# Altium PCB ControlBoardV6.PcbDoc (continued)
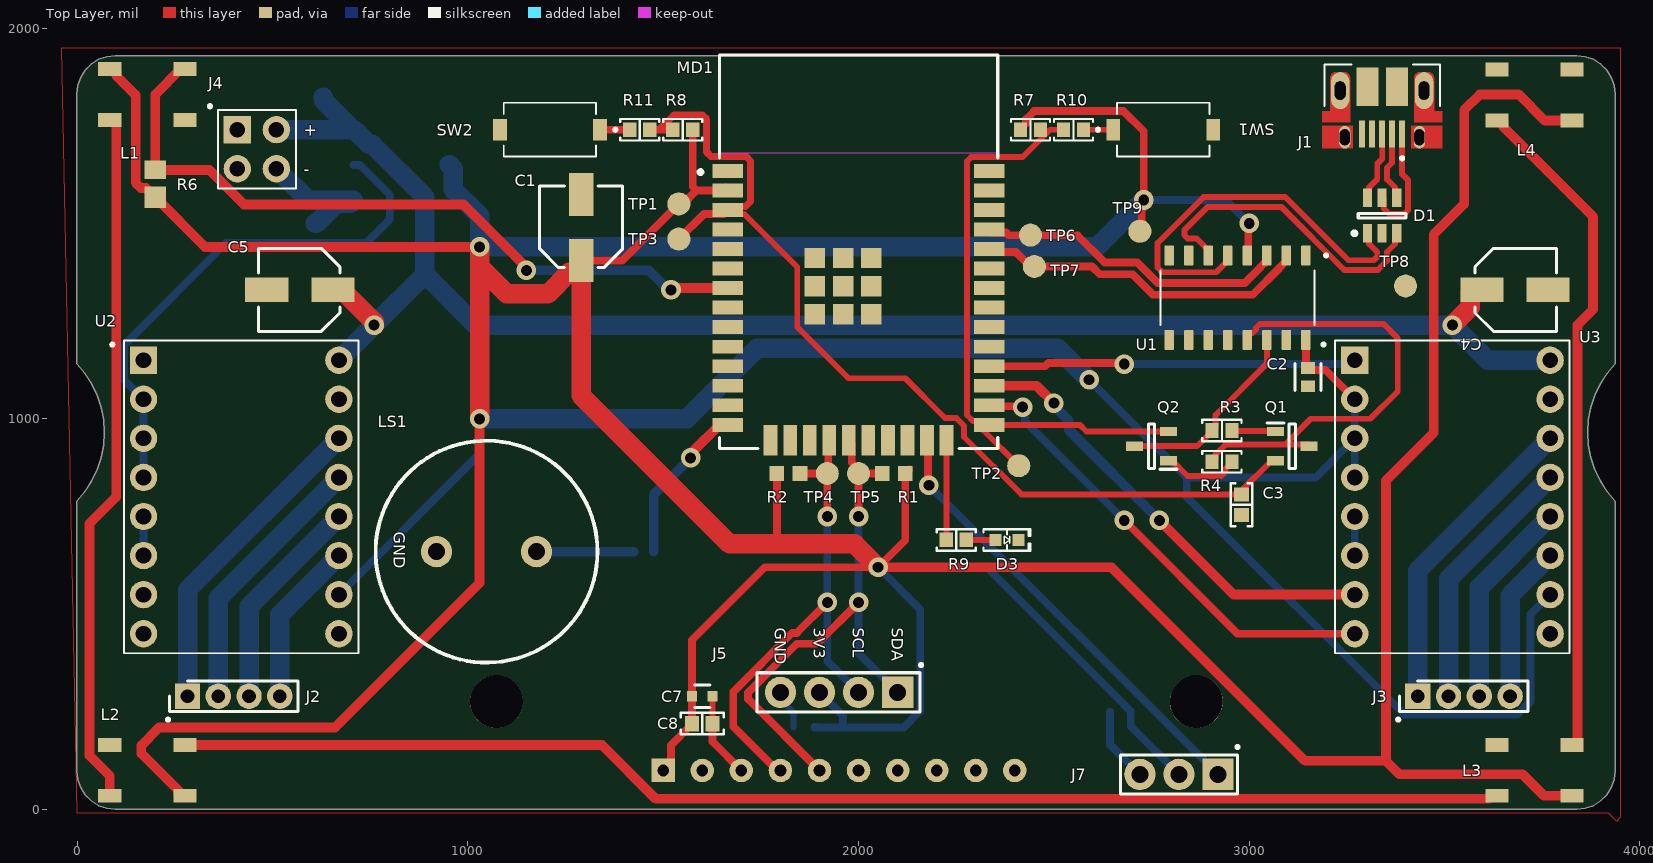
[diagram p0: Top Layer view]
## Part data (continued)
D1: library part CMP-2000-05378-1, "Very low capacitance ESD protection, 3.5 pF, -40 to 125 degC, 6-Pin SOT23, RoHS, Tape and Reel", Capacitance Value=3.5pF, Clamping Voltage=17V, Leakage Current=0.15uA, Manufacturer=STMicroelectronics, Operating Temp Range=-40Cto125C, Operating Temperature Classification=Automotive, Operating Temperature Max Deg. C=125C, Operating Temperature Min Deg. C=-40C, Package / Case=SOT-23, Package Description="6-Pin Small Outline Transistor, Body 2.925 x 1.625 mm, Pitch 0.95 mm", Package Reference=SOT23-6L, Peak Pulse Current=5A, Reverse Breakdown Voltage=6V, Reverse Stand-off Voltage=5V, Test Current (It)=1mA, Clamping Voltage (Max)=17V, Configuration=Dual, Datasheet URL=http://www.st.com/st-web-ui/static/active/en/resource/technical/document/datasheet/CD00050750.pdf, Datasheet Version="Rev. 5, 10/2011", Direction Type=Uni-Directional, Leakage Current (Max)=0.15uA, Manufacturer Part Number=USBLC6-2SC6, Manufacturer URL=http://www.st.com/, Mounting=SurfaceMount, Mounting Style=SurfaceMount, Number of Elements=1, Packaging=TapeandReel, Pin Count=6, Polarity=Uni-Directional, Product Depth (mm)=1.75mm, Product Height (mm)=1.3mm, Product Length (mm)=3.05mm, Rad Hardened=No, Suppressor Type=DiodeArrays, Working Voltage=5V, Working Voltage (Max)=5V
D3: library part LED, "LED BLUE 0603 SMD", Current - Test=20mA, Device Package="0603 (1608 Metric)", Lens Color=1.00mm, Manufacturer="Vishay Semiconductor Opto Division", Millicandela Rating=104mcd, Part Number=VLMB1300-GS08, Supplier Device Package=0603, Supplier Part Number 1=VLMB1300-GS08CT-ND, Voltage - Forward (Vf) (Typ)=3.3V, Color=Blue, ComponentLink1Description=Datasheet, ComponentLink1URL=http://www.vishay.com/docs/82437/vlmo1300.pdf, ComponentLink2Description="DigiKey Link", ComponentLink2URL=http://digikey.com/product-detail/en/vishay-semiconductor-opto-division/VLMB1300-GS08/VLMB1300-GS08CT-ND/3025485, Configuration=Standard, Height (Max)=1.00mm, LastUpdated="09/02/2020 01:20:26", Lens Size="1.10mm x 0.80mm", Lens Style="Rectangle with Flat Top", Lifecycle Status=Active, Minimum Order=1, Mounting Type="Surface Mount", Package / Case="0603 (1608 Metric)", Packaging=TapeAndReel, Part Status=Active, PartId=785, Price=0.08, Series=CHIPLED, Size=0603, Size / Dimension="1.60mm L x 0.80mm W", Supplier 1=DigiKey, Viewing Angle=130°, Wavelength - Dominant=470nm, Wavelength - Peak=468nm
J1: library part 10103594-0001LF, "USB - micro B USB 2.0 Receptacle Connector 5 Position Surface Mount, Right Angle; Through Hole", Package=None, Availability=Good, Check_prices=https://www.snapeda.com/parts/10103594-0001LF/Amphenol%20FCI/view-part/5161044/?ref=eda, MF="Amphenol ICC (FCI)", MP=10103594-0001LF, Price=None, Purchase-URL=https://pricing.snapeda.com/search/part/10103594-0001LF/?ref=eda, SnapEDA_Link=https://www.snapeda.com/parts/10103594-0001LF/Amphenol%20FCI/view-part/5161044/?ref=snap
J2 J3: library part M22-2510405, "Connector", Manufacturer_Name=Harwin, Mouser Part Number=855-M22-2510405, Datasheet Link=https://cdn.harwin.com/pdfs/M22-251.pdf, Height=5.25mm, Manufacturer_Part_Number=M22-2510405, Mouser Price/Stock=https://www.mouser.co.uk/ProductDetail/Harwin/M22-2510405?qs=vF78I%252BjhbY9z7PsFZBZ5CA%3D%3D
J4: library part M20-9950245, "M20-9950245 Pin Connector", ComponentLink1Description=Datasheet, ComponentLink1URL=https://www.snapeda.com/parts/M20-9950245/Harwin/datasheet/
J5: library part SSD_GUARRETA, "CONN HDR 4POS 0.1 TIN PCB", Color=Black, Manufacturer=Sullins, Manufacturer Part Number=PPTC041LFBN-RC, Package Quantity=1000, Supplier Part Number 1=S7002-ND, Category=Connectors, ComponentLink1Description=https://media.digikey.com/pdf/Data%20Sheets/Sullins%20PDFs/Female_Headers.100_DS.pdf?src-supplier=Digi-Key, ComponentLink1URL=https://media.digikey.com/pdf/Data%20Sheets/Sullins%20PDFs/Female_Headers.100_DS.pdf?src-supplier=Digi-Key, ComponentLink2Description=http://www.sullinscorp.com/catalogs/78_Page80-81_HEADER_.100_2.54mm_FEMALE.pdf?src-supplier=Future+Electronics, ComponentLink2URL=http://www.sullinscorp.com/catalogs/78_Page80-81_HEADER_.100_2.54mm_FEMALE.pdf?src-supplier=Future+Electronics, Connector Type=Header,Socket, Contact Material=Bronze, Contact Plating=Tin, Height=8.5mm, Housing Material=Plastic, Lead Free="Lead Free", Length=10.7mm, Mount="Through Hole", Number of Positions=4, Number of Rows=1, Packaging=Bulk, Pitch=0.1inch, Pricing 1="1=0,45000, 10=0,42400, 100=0,32500, 500=0,28260, 1000=0,23315, 5000=0,20489, 10000=0,20410 (USD)", RoHS=Yes, Stock 1=41925, Supplier 1=Digi-Key, Termination=Solder, Width=2.5mm
J6: library part IMU_GUARRETA, "CONN HDR 10POS 0.1 TIN PCB", Color=Black, Manufacturer=Sullins, Manufacturer Part Number=PPTC101LFBN-RC, Package Quantity=1000, Supplier Part Number 1=S7008-ND, Category=Connectors, ComponentLink1Description=https://media.digikey.com/pdf/Data%20Sheets/Sullins%20PDFs/Female_Headers.100_DS.pdf?src-supplier=Digi-Key, ComponentLink1URL=https://media.digikey.com/pdf/Data%20Sheets/Sullins%20PDFs/Female_Headers.100_DS.pdf?src-supplier=Digi-Key, Connector Type=Header, Contact Material=Bronze, Contact Plating=Tin, Contact Type="Female Socket", Height=8.5mm, Housing Material=Plastic, Lead Free="Lead Free", Length=25.9mm, Mount="Through Hole", Number of Positions=10, Number of Rows=1, Packaging=Bulk, Pitch=0.1inch, Pricing 1="1=0,65000, 10=0,57400, 100=0,49500, 500=0,40500, 1000=0,36000, 5000=0,32500 (USD)", RoHS=Yes, RoHS Compliant=Yes, Stock 1=12464, Supplier 1=Digi-Key, Termination=Solder, Width=2.5mm
J7: library part IRREMOTE_GUARRETA, "CONN HDR 3POS 0.1 GOLD PCB", Color=Black, Manufacturer=Sullins, Manufacturer Part Number=PPPC031LFBN-RC, Package Quantity=1000, Supplier Part Number 1=S7036-ND, Category=Connectors, ComponentLink1Description=https://media.digikey.com/pdf/Data%20Sheets/Sullins%20PDFs/Female_Headers.100_DS.pdf?src-supplier=Digi-Key, ComponentLink1URL=https://media.digikey.com/pdf/Data%20Sheets/Sullins%20PDFs/Female_Headers.100_DS.pdf?src-supplier=Digi-Key, ComponentLink2Description=http://www.sullinscorp.com/catalogs/78_Page80-81_HEADER_.100_2.54mm_FEMALE.pdf?src-supplier=Future+Electronics, ComponentLink2URL=http://www.sullinscorp.com/catalogs/78_Page80-81_HEADER_.100_2.54mm_FEMALE.pdf?src-supplier=Future+Electronics, Connector Type=Header, Contact Material=Bronze, Contact Plating=Gold, Contact Type="Female Socket", Height=8.5mm, Housing Material=Plastic, Lead Free="Lead Free", Length=8.12mm, Mount="Through Hole", Number of Positions=3, Number of Rows=1, Packaging=Bulk, Pitch=0.1inch, Pricing 1="1=0,37000, 10=0,35100, 100=0,26910, 500=0,23400, 1000=0,19305, 5000=0,16965, 10000=0,16900 (USD)", RoHS=Yes, RoHS Compliant=Yes, Stock 1=36124, Supplier 1=Digi-Key, Termination=Solder, Width=2.5mm
LS1: library part Buzzer
MD1: library part CMP-194065-000003-1, "WIFI MODULE 32MBITS SPI FLASH", Manufacturer="Espressif Systems", Max Frequency=2484MHz, Max Supply Voltage=3.6V, Min Supply Voltage=3V, Nominal Supply Current=500mA, Temperature="-40°C to +85°C", Temperature Range High=+85°C, Temperature Range Low=-40°C, Automotive=No, Bandwidth=72MHz, Category=UNK, ComponentLink2Description=Datasheet, ComponentLink2URL=https://www.espressif.com/sites/default/files/documentation/esp32-wroom-32d_esp32-wroom-32u_datasheet_en.pdf, Data Rate=150Mbits/s, Device Class L1="Integrated Circuits (ICs)", Device Class L2="RF Semiconductors and Devices", Device Class L3=Transceivers, Digikey Description="WIFI MODULE 32MBITS SPI FLASH", Height=3.2mm, Interface=I2C,SPI,UART,Ethernet,I2S,Other, Lead Free=Yes, Manufacturer Part Number=ESP32-WROOM-32D, Mouser Description="Wi-Fi/BT BLE Module ESP32-D0WD, SPI Flash, UART, P", Number Of Adc Channels=16, Number Of Gpio=32, Octopart=https://octopart.com/esp32-wroom-32d-espressif+systems-91040050, Package=ESP32-WROOM-32D, RoHS=TRUE, Sensitivity=-98dBm
Q1 Q2: "Transistor", Manufacturer_Name="Yenji Elec", Datasheet Link=https://datasheet.lcsc.com/szlcsc/Yenji-Elec-S8050_C139514.pdf, Height=1.15mm, Manufacturer_Part_Number=S8050
R1 R2: library part CMP-1012-00586-3, "Precision Thick Film Chip Resistor, 4.7 KOhm, +/- 1%, -55 to 155 degC, 0603 (1608 Metric), RoHS, Tape and Reel", Case Code (Imperial)=1206, Case Code (Metric)=3216, Case\Package=1205, Manufacturer=Panasonic, Manufacturer Part Number=ERJ-3EKF4701V, Max Operating Temperature="125 degC", Min Operating Temperature="-55 degC", Package Quantity=1, Power Rating="250 mW", Tolerance=5%, Type (Resistor)="Thick Film", Voltage Rating="50 V", ComponentLink1Description="Manufacturer URL", ComponentLink1URL=http://www.panasonic.com/, ComponentLink2Description=Datasheet, ComponentLink2URL=http://industrial.panasonic.com/cdbs/www-data/pdf/RDA0000/AOA0000C86.pdf, DatasheetVersion=Apr-15, Elements=4, Height="0.024 inch", Length="0.126 inch", Mount="Surface Mount", PackageDescription="2-Pin Surface Mount Device, Body 1.6 x 0.85 mm", Packaging="Tape and Reel", Pins=8, Radiation Hardening=No, REACH SVHC="No SVHC", Resistance=4k7, RoHSCompliant=true, Size=0603, Width="0.063 inch"
R3 R4 R7 R8: library part RMCF0603JT12K0, "RES 12K OHM 5% 1/10W 0603", Device Package="0603 (1608 Metric)", Manufacturer="Stackpole Electronics Inc", Operating Temperature="-55°C ~ 155°C", Power (Watts)="0.1W, 1/10W", Ratings=AEC-Q200, Resistance="12 kOhms", Supplier Device Package=0603, Supplier Part Number 1=RMCF0603JT12K0CT-ND, Temperature Coefficient=±200ppm/°C, Tolerance=±5%, ComponentLink1Description=Datasheet, ComponentLink1URL=https://www.seielect.com/catalog/sei-rmcf_rmcp.pdf, ComponentLink2Description="DigiKey Link", ComponentLink2URL=http://digikey.com/product-detail/en/stackpole-electronics-inc/RMCF0603JT12K0/RMCF0603JT12K0CT-ND/1943192, Composition="Thick Film", Features="Automotive AEC-Q200", Height - Seated (Max)="0.022\" (0.55mm)", LastUpdated="09/02/2020 01:10:24", Lifecycle Status=Active, Minimum Order=1, Number of Terminations=2, Package / Case="0603 (1608 Metric)", Packaging=CutTape, Part Number=RMCF0603JT12K0, Part Status=Active, PartId=5166, Price=0.10, Series=RMCF, Size=0603, Size / Dimension="0.061\" L x 0.031\" W (1.55mm x 0.80mm)", Supplier 1=DigiKey
R5: library part CRCW06031K00FKEAHP, "RES SMD 1K OHM 1% 1/4W 0603", Device Package="0603 (1608 Metric)", Manufacturer="Vishay Dale", Operating Temperature="-55°C ~ 155°C", Power (Watts)="0.25W, 1/4W", Ratings=AEC-Q200, Resistance="1 kOhms", Supplier Device Package=0603, Supplier Part Number 1=541-1.00KSCT-ND, Temperature Coefficient=±100ppm/°C, Tolerance=±1%, ComponentLink1Description=Datasheet, ComponentLink1URL=http://www.vishay.com/docs/20043/crcwhpe3.pdf, ComponentLink2Description="DigiKey Link", ComponentLink2URL=http://digikey.com/product-detail/en/vishay-dale/CRCW06031K00FKEAHP/541-1.00KSCT-ND/2222766, Composition="Thick Film", Features="Automotive AEC-Q200, Pulse Withstanding", Height - Seated (Max)="0.022\" (0.55mm)", LastUpdated="09/02/2020 01:10:05", Lifecycle Status=Active, Minimum Order=1, Number of Terminations=2, Package / Case="0603 (1608 Metric)", Packaging=TapeAndReel, Part Number=CRCW06031K00FKEAHP, Part Status=Active, PartId=14350, Price=0.02, Series=CRCW-HP, Size=0603, Size / Dimension="0.063\" L x 0.033\" W (1.60mm x 0.85mm)", Supplier 1=DigiKey
R6: library part Resistor, "Resistor", Supplier Part Number 1=2358436, Supplier 1=Farnell
R9 R10 R11: library part RMCF0603JT470R, "RES 470 OHM 5% 1/10W 0603", Device Package="0603 (1608 Metric)", Manufacturer="Stackpole Electronics Inc", Operating Temperature="-55°C ~ 155°C", Power (Watts)="0.1W, 1/10W", Ratings=AEC-Q200, Resistance="470 Ohms", Supplier Device Package=0603, Supplier Part Number 1=RMCF0603JT470RCT-ND, Temperature Coefficient=±200ppm/°C, Tolerance=±5%, ComponentLink1Description=Datasheet, ComponentLink1URL=https://www.seielect.com/catalog/sei-rmcf_rmcp.pdf, ComponentLink2Description="DigiKey Link", ComponentLink2URL=http://digikey.com/product-detail/en/stackpole-electronics-inc/RMCF0603JT470R/RMCF0603JT470RCT-ND/1943166, Composition="Thick Film", Features="Automotive AEC-Q200", Height - Seated (Max)="0.022\" (0.55mm)", LastUpdated="09/02/2020 01:10:23", Lifecycle Status=Active, Minimum Order=1, Number of Terminations=2, Package / Case="0603 (1608 Metric)", Packaging=CutTape, Part Number=RMCF0603JT470R, Part Status=Active, PartId=5857, Price=0.10, Series=RMCF, Size=0603, Size / Dimension="0.061\" L x 0.031\" W (1.55mm x 0.80mm)", Supplier 1=DigiKey
SW1 SW2: library part CMP-2000-07501-1, "FSMSM Push Button Switch, 50 mA, -35 to 85 degC, 2-Pin SMD, RoHS, Tape and Reel", Case\/Package=SMD/SMT, Contact Current Rating=50mA, Contact Resistance=100mOhm, Manufacturer="TE Connectivity", Max Operating Temperature=85degC, Max Voltage Rating (DC)=12V, Min Operating Temperature=-35degC, Operating Force=180gf, Package Description="2-Pin Surface Mount Device, Body 6 x 3.5 mm, Pitch 9.19 mm", Package Quantity=1800, Voltage Rating (DC)=24V, Actuator Length=1.07mm, Actuator Material=Polyamide, Contact Material=Brass, Contact Plating=Silver, Current Rating=50mA, Datasheet URL=http://www.te.com/commerce/DocumentDelivery/DDEController?Action=showdoc&DocId=Customer+Drawing%7F1437566-3%7FC2%7Fpdf%7FEnglish%7FENG_CD_1437566-3_C2_1437566_3_1_c.dwg.pdf%7F1437566-4, Datasheet Version="Rev. C2, 08/2014", Electrical Life=20000Cycles, ELV=Compliant, Illumination Type=Illuminated, Lead Free=LeadFree, Manufacturer Part Number=FSMSMTR, Manufacturer URL=http://www.te.com/, Mechanical Life=20000Cycles, Mount=SurfaceMount, Mounting Technology=SurfaceMount, Orientation=Straight, Package Reference=FSMSMTR, Packaging=TapeandReel, REACH SVHC=Unknown, RoHSCompliant=true, Switch Travel=0.25mm, Termination=GullWing, Throw Configuration=SPST
TP1 TP2 TP3 TP4 TP5 TP6 TP7 TP8 TP9 TP10 TP11 TP12: library part TestPoint
U1: "USB to serial chip CH340", Package=None, Availability="Not in stock", Check_prices=https://www.snapeda.com/parts/CH340C/WCH/view-part/?ref=eda, MF=WCH, MP=CH340C, Price=None, SnapEDA_Link=https://www.snapeda.com/parts/CH340C/WCH/view-part/?ref=snap
U2 U3: "Pololu A4988 Stepper Motor Driver Carrier", ComponentLink1Description="Datasheet carrier", ComponentLink1URL=https://www.robotshop.com/media/files/pdf/datasheet-1182.pdf, ComponentLink2Description="Datasheet A4988", ComponentLink2URL=https://www.pololu.com/file/0J450/a4988_DMOS_microstepping_driver_with_translator.pdf
U4: library part CMP-0062-01631-4, "800mA Low-Dropout Linear Regulator, 4-pin SOT-223, Pb-Free", Manufacturer="Texas Instruments", PackageTopMarking=XYTT*N05B, PowerWise=N, Code_IPC=SOT223-4, Code_JEDEC=TO-261-AA, ComponentLink1Description="Datasheet URL", ComponentLink1URL=http://www.ti.com/general/docs/lit/getliterature.tsp?genericPartNumber=LM1117-N&fileType=pdf, CompType="LDO IC", High-Reliability=Y, Manufacturer Part Number=LM1117IMP-3.3/NOPB, PackageDescription="Molded SOT-223, 6.50 x 3.56 x 1.6mm Body, 4 Lead, 2.3mm Pitch", PackageReference=DCY0004A, PartNumber=LM1117IMP-3.3/NOPB, PinCount=4, RoHS=Y

## Free pads (board coordinates)
  round 135.43 hole 135.43: 1(1072.98,276.05) 1(2864.32,276.05)

## Via types
v1: diameter 50, hole 28, Top Layer to Bottom Layer, 21 vias

## Nets (pads, with @x,y where several pads share a name; then routed paths per layer and width w, separated by ;. In a path a pad name is that pad's centre, name@x,y a point inside that pad or via, vN(x,y) a via of type N, cw(c..) or ccw(c..) an arc to the next point about the centre after c; other vN are vias at no path point)
+3V3: C1.1 C2.2 C6.1 C7.1 C8.2 C9.1 J5.3 J6.1 J7.2 L1.1 L2.1 L3.1 L4.1 MD1.2 R1.1 R2.1 R6.1 R7.1 R8.1 TP1.1 TP9.1 TP11.1 U1.4 U1.16 U2.2 U2.3 U2.4 U2.10 U3.2 U3.3 U3.4 U3.10 U4.2 U4.4 | length 22231.7
  Top Layer w20: C1.1 1395.35,1405.35 TP1.1 1550.57,1550 1585.16,1584.59 ; J6.1 1520,120 1520,164.61 1573.43,218.03 C8.2 C7.1 1573.43,433.43 1760,620 v1(2050,620) 2119.53,689.53 R1.1 R1.1@2129.53,870 ; R8.1 1575.59,1594.15 1585.16,1584.59 ; MD1.2 1585.16,1584.59 ; R2.1 1790.94,689.06 1800,680 ; R7.1 2414.41,1741.97 2428.86,1756.42 2428.86,1766.99 2449.43,1787.56 2678.05,1787.56 2730,1735.61 v1(2730,1560) 2725,1555 2725,1485 TP9.1 ; U1.4 2997.2,1420.47 2997.2,1497.2 v1(3000,1500) ; U1.16 3145,1134.76 3154.53,1125.24 3194.76,1125.24 U3.2
  Top Layer w25: L1.1 95.36,1894.96 100.57,1889.74 100.57,1877.93 149.94,1828.56 149.94,1604.06 163.12,1590.88 176.06,1590.88 199.94,1567 R6.1 200.06,1567 327.06,1440 v1(1030,1440) ; L2.1 264.64,35.04 259.43,40.26 259.43,48.63 164.38,143.67 164.38,164.38 210,210 660,210 1030,580 v1(1030,1000) ; MD1.2@1660.14,1589.8 MD1.2 ; v1(2050,620) 2647.95,620 3143.2,124.74 3350,124.74 ; L3.1 3754.96,35.04 3700,90 3600,90 3599.86,90.14 3384.6,90.14 3350,124.74 ; L4.1 3756.19,1763.81 3690,1830 3590,1830 3550,1790 3550,1550 3472.03,1472.03 3472.03,964.06 3350,842.04 3350,124.74
  Top Layer w50: v1(1030,1000) 1030,1390 ; v1(1030,1440) 1030,1390 ; C1.1@1290,1380.87 1290,1060 1670,680 1800,680 1990,680 v1(2050,620) ; C1.1 1290,1381.73 1283.5,1375.24 1259.88,1375.24 1204.65,1320 1100,1320 1030,1390
  Bottom Layer w20: U2.4 U2.3 U2.2 119.88,1100.12 119.88,1188.4 381.95,1450.47 740.47,1450.47 800,1510 800,1573.7 723.7,1650 U4.2 ; U2.10 1030,910 v1(1030,1000) ; C6.1 1886.57,210.98 1886.87,211.28 C6.1@1891.28,211.28 ; C6.1@1889.07,210 1960,210 ; J5.3@1900,314.88 J5.3 1960,240 1960,210 ; v1(2590,1100) 2840,850 ; v1(2730,1560) 2940,1560 v1(3000,1500) ; J7.2 2696.57,213.43 C9.1 2696.57,250.98 2678.65,268.91 2678.65,269.64 2328.29,620 v1(2050,620) 2158,512 2158,252.54 2115.46,210 1960,210 ; U3.4 U3.3 ; U3.2 U3.3 ; U3.10 3719.88,499.88 3719.88,276.54 3686.77,243.43 3396.4,243.43 2840,799.83 2840,850 ; 2840,850 3170,850 U3.3
  Bottom Layer w50: U4.4 962.48,1640.55 962.48,1587.52 TP11.1 v1(1030,1440) 2610,1440 v1(2730,1560) ; v1(1030,1000) 1560,1000 1740,1180 2510,1180 v1(2590,1100)
+11V1: C4.1 C5.1 J4.3 TP10.1 U2.16 U3.16 U4.3 | length 4304.5
  Top Layer w50: C5.1 661.14,1323.5 684.76,1323.5 760,1248.27 v1(760,1240) ; v1(3520,1240) 3565.24,1285.24 3565.24,1323.5 3571.73,1330 C4.1
  Bottom Layer w50: J4.3 510.28,1740.28 706.69,1740.28 U4.3 ; TP10.1 631.73,1820.94 631.73,1813.62 U4.3@697.52,1747.84 ; U2.16 v1(760,1240) 890,1370 ; U4.3@716.42,1733.27 746.97,1702.72 754.77,1702.72 890,1567.49 890,1370 ; U3.16 3610,1150 v1(3520,1240) 1020,1240 890,1370
BUZZER: MD1.14 R5.2 | length 415.9
  Top Layer w25: v1(1570,900) 1574.78,904.78 1574.78,915.67 1643.7,984.59 MD1.14
  Bottom Layer w25: R5.2 1475.59,805.59 v1(1570,900)
D1_DIR: MD1.13 U2.8
D1_EN: MD1.11 U2.1 | length 6.2
  Top Layer w12: MD1.11@1660.94,1139 MD1.11
D1_STEP: MD1.12 U2.7
D2_DIR: MD1.26 U3.8 | length 1195.1
  Top Layer w20: MD1.26 2336.94,1032.29 2417.71,1032.29 v1(2420,1030) ; v1(2680,740) 2970,450 U3.8
  Bottom Layer w20: v1(2420,1030) 2425.74,1024.26 2425.74,994.26 v1(2680,740)
D2_EN: MD1.28 U3.1 | length 944.2
  Top Layer w20: MD1.28 2477.85,1134.59 2486.26,1143 2677,1143 v1(2680,1140)
  Bottom Layer w20: v1(2680,1140) 3260,1140 U3.1
D2_STEP: MD1.27 U3.7 | length 1174.4
  Top Layer w25: MD1.27 2455.41,1084.59 v1(2500,1040) ; v1(2770,740) 2960,550 U3.7
  Bottom Layer w25: v1(2500,1040) 2500,1033.24 2538.03,995.2 2538.03,971.97 v1(2770,740)
D\T\R\: Q1.3 R4.1 U1.13 | length 1182.7
  Top Layer w15: R4.1 2913.64,899.23 2913.64,908.23 2939.21,933.8 3091.3,933.8 ; U1.13 2995,1215.31 2999.7,1220.02 3008.51,1220.02 3017.3,1228.81 3017.3,1232.15 3028.16,1243.02 3343.51,1243.02 3380,1206.53 3380,1070 3310,1000 3157.5,1000 3091.3,933.8 ; Q1.3 3149.51,933.8 3091.3,933.8
D_N: D1.3 U1.6 | length 803.8
  Top Layer w15: U1.6 2895,1431.85 2865.3,1461.56 2842.69,1461.56 2833.9,1470.34 2833.9,1482.77 2893.63,1542.5 3081.72,1542.5 3243.39,1380.83 3329.07,1380.83 3352.5,1404.26 3352.5,1427.04 3373.09,1447.63 3373.09,1470.41 D1.3
D_P: D1.1 U1.5 | length 1025.2
  Top Layer w15: U1.5 2945,1404.69 2915.3,1374.98 2777.33,1374.98 2765.3,1387.02 2765.3,1449.52 2883.28,1567.5 3092.08,1567.5 3253.75,1405.83 3318.71,1405.83 3327.5,1414.62 3327.5,1427.04 3306.91,1447.63 3306.91,1470.41 D1.1
DNP_N: D1.4 J1.2 | length 179.2
  Top Layer w15: J1.2 3365.37,1728.56 3365.37,1687.08 3365.3,1687 3365.3,1655.24 3352.5,1642.45 3352.5,1612.96 3373.09,1592.37 3373.09,1569.59 D1.4
DNP_P: D1.6 J1.3 | length 179.2
  Top Layer w15: D1.6 3306.91,1569.59 3306.91,1592.37 3327.5,1612.96 3327.5,1652.8 3340.3,1665.6 3340.3,1687 3340.22,1687.08 3340.22,1728.56 J1.3
EN: C3.1 MD1.3 Q1.2 R8.2 R11.1 TP3.1 | length 2592.3
  Top Layer w15: MD1.3 1675.57,1524.37 1707.41,1524.37 1843.18,1388.6 1843.18,1235.16 1974.39,1103.96 2119.54,1103.96 2221.41,1002.09 2249.97,1002.09 2260.22,991.84 2270,982.04 2270,953.49 2416.92,806.57 2970.83,806.57 3056.85,892.6 Q1.2
  Top Layer w18: R11.1@1476.31,1740 1490,1740 1527.7,1777.7 1600.19,1777.7 1611.32,1766.57 1611.32,1682.34 1622.36,1671.3 1712.59,1671.3 1723.72,1660.17 1723.72,1556.61 1710.42,1543.3 1681.05,1543.3 MD1.3@1680.05,1542.3
  Top Layer w20: R11.1 1476.31,1740 1490,1740 R8.2 ; TP3.1 1604.37,1524.37 1655.14,1524.37 MD1.3 1673.07,1542.3 MD1.3@1680.05,1542.3
ESP32_RX: MD1.34 TP7.1 U1.2 | length 859.1
  Top Layer w20: MD1.34 2342.36,1426.87 2402.69,1426.87 2439.56,1390 TP7.1 2597.57,1390 2617.57,1370 2701,1370 2753.52,1317.48 3008.7,1317.48 3077.2,1385.98 3077.2,1386.89 3095,1404.69 U1.2
ESP32_TX: MD1.35 TP6.1 U1.3 | length 805
  Top Layer w20: MD1.35 2342.36,1476.87 2377.73,1476.87 2384.6,1470 TP6.1 2560,1470 2630,1400 2713.42,1400 2765.94,1347.48 2988.7,1347.48 3027.2,1385.98 3027.2,1386.89 3042.8,1402.48 3042.8,1416.06 U1.3
GND: C1.2 C2.1 C3.2 C4.2 C5.2 C6.2 C7.2 C8.1 C9.2 D1.2 D3.2 J1.5 J1.6 J1.7 J1.8 J1.9 J1.10 J1.11 J1.S1 J1.S2 J4.4 J5.4 J6.3 J7.3 L1.3 L2.3 L3.3 L4.3 LS1.2 MD1.1 MD1.15 MD1.38 MD1.39 SW1.2 SW2.2 TP8.1 TP12.1 U1.1 U2.9 U2.15 U3.9 U3.15 U4.1 | length 867.9
  Top Layer w15: C8.1 C7.2
  Top Layer w20: C8.1 1626.57,173.43 J6.3
  Bottom Layer w15: J5.4 1800,282.41 1833.43,248.99 C6.2
  Bottom Layer w20: C9.2 2643.43,166.57 J7.3
  Bottom Layer w50: J4.4 590.55,1559.45 U4.1 699.68,1552.16 664.61,1552.16 612.45,1500 TP12.1
IO0: MD1.25 Q2.2 R7.2 R10.1 TP2.1 | length 1625.2
  Top Layer w15: TP2.1 2320.03,969.97 2312.81,977.19 2320.22,984.59 MD1.25 ; R10.1 2490,1740 2419.8,1669.8 2288.03,1669.8 2277.78,1659.55 2277.78,1009.63 2278.7,1008.7 2292.59,994.8 2324.43,994.8 MD1.25 ; Q2.2 2583.58,967.4 2566.4,984.59 MD1.25
IO2: MD1.24 R9.1 | length 255.5
  Top Layer w15: R9.1 2224.7,690.3 2224.7,944.92 MD1.24
IR_SIG: J7.1 MD1.23 | length 1163.8
  Top Layer w15: MD1.23 MD1.23@2177.5,942.72 ; v1@2177.5,832.5 v1(2180,830)
  Top Layer w20: v1@2177.5,832.5 MD1.23@2177.5,942.72
  Bottom Layer w20: v1(2180,830) J7.1
MOT1_1A: J2.3 U2.12 | length 555.3
  Bottom Layer w50: J2.3 440,520 U2.12
MOT1_1B: J2.4 U2.11 | length 422.7
  Bottom Layer w50: J2.4 518.74,498.74 U2.11
MOT1_2A: J2.2 U2.13 | length 687.9
  Bottom Layer w50: J2.2 361.26,541.26 U2.13
MOT1_2B: J2.1 U2.14 | length 820.5
  Bottom Layer w50: J2.1 282.52,562.52 U2.14
MOT2_1A: J3.3 U3.12 | length 535.1
  Bottom Layer w50: J3.3 3588.74,568.74 U3.12
MOT2_1B: J3.4 U3.11 | length 402.5
  Bottom Layer w50: J3.4 3667.48,547.48 U3.11
MOT2_2A: J3.2 U3.13 | length 667.7
  Bottom Layer w50: J3.2 3510,590 U3.13
MOT2_2B: J3.1 U3.14 | length 800.3
  Bottom Layer w50: J3.1 3431.26,611.26 U3.14
NeoPixels: L1.4 MD1.7 R6.2 | length 1895.2
  Top Layer w25: L1.4 264.64,1894.96 200,1830.32 R6.2 338.59,1637 427.25,1548.34 988.84,1548.34 1145.22,1391.96 1145.22,1384.78 v1(1150,1380) ; v1(1520,1330) 1524.59,1334.59 MD1.7
  Bottom Layer w25: v1(1150,1380) 1463.24,1380 1513.24,1330 v1(1520,1330)
NetD1_5: D1.5 J1.1 | length 302.1
  Top Layer w15: D1.5 3344.31,1560.97 3344.31,1538.19 3358.34,1524.15 3396.46,1524.15 3406.71,1534.41 3406.71,1610.54 3391.18,1626.07 J1.1
NetD3_1: D3.1 R9.2 | length 74.9
  Top Layer w15: R9.2 D3.1
NetL1_2: L1.2 L2.4 | length 1793.3
  Top Layer w25: L2.4 83.54,85.9 31.52,137.92 31.52,731.52 100,800 100,1759.82 94.78,1765.04 L1.2
NetL2_2: L2.2 L3.4 | length 3417.1
  Top Layer w25: L2.2 1343.22,164.96 1480.68,27.5 3614.19,27.5 3621.73,35.04 L3.4
NetL3_2: L3.2 L4.4 | length 1734.9
  Top Layer w25: L4.4 3645.35,1763.81 3650.57,1758.59 3650.57,1746.78 3880,1517.35 3880,1280 3840,1240 3840,170.18 3834.78,164.96 L3.2
NetLS1_1: LS1.1 R5.1 | length 248.5
  Bottom Layer w25: LS1.1 R5.1
NetQ1_1: Q1.1 R3.2 | length 112.2
  Top Layer w15: R3.2 2956.89,968.7 3065.39,968.7 Q1.1
NetQ2_1: Q2.1 R4.2 | length 198.6
  Top Layer w15: Q2.1 2803.15,892.6 2841.95,853.8 2928.39,853.8 2938.64,864.05 2938.64,871.08 2955.59,888.03 R4.2
NetR10_2: R10.2 SW1.1 | length 76.5
  Top Layer w15: R10.2 SW1.1
NetR11_2: R11.2 SW2.1 | length 76.5
  Top Layer w20: SW2.1 R11.2
NetU2_5: U2.5 U2.6 | length 100
  Bottom Layer w20: U2.6 U2.5
NetU3_5: U3.5 U3.6 | length 100
  Bottom Layer w20: U3.6 U3.5
R\T\S\: Q2.3 R3.1 U1.14 | length 505.4
  Top Layer w15: Q2.3 2866.38,930 2904.41,968.03 R3.1 2913.64,979.23 2913.64,1009.45 3045,1140.8 U1.14
SCL: J5.2 J6.4 MD1.18 R2.2 TP4.1 | length 1341.8
  Top Layer w20: J6.4 1791.72,100 1679.27,212.44 1679.27,300.89 1830.52,452.14 1842.14,452.14 v1(1920,530) ; R2.2 TP4.1 ; v1(1920,750) TP4.1 ; MD1.18 1922.5,942.72 1922.5,862.5 TP4.1
  Bottom Layer w20: v1(1920,750) v1(1920,530) 1920,380 J5.2
SDA: J5.1 J6.5 MD1.19 R1.2 TP5.1 | length 1410.7
  Top Layer w20: J6.5 1717.27,282.73 1717.27,299.3 1842.12,424.14 1894.14,424.14 v1(2000,530) ; MD1.19 1982.72,937.5 1982.72,887.85 2000,870.57 TP5.1 ; v1(2000,750) TP5.1 ; R1.2 TP5.1
  Bottom Layer w20: v1(2000,750) v1(2000,530) 2000,400 J5.1
pads on no net: J1.4 J4.1 J4.2 J6.2 J6.6 J6.7 J6.8 J6.9 J6.10 L4.2 MD1.4 MD1.5 MD1.6 MD1.8 MD1.9 MD1.10 MD1.16 MD1.17 MD1.20 MD1.21 MD1.22 MD1.29 MD1.30 MD1.31 MD1.32 MD1.33 MD1.36 MD1.37 U1.7 U1.8 U1.9 U1.10 U1.11 U1.12 U1.15

## Polygon pours and split planes (outlines as drawn)
GND on Top Layer "NONET_L01_P000" (solid, shelved, pour order 0): -40,1950 3950,1950 3950,-20 3940,-30 3920,-10 0,-10

## Silkscreen, mask and mechanical layers (free items; w line width, h text height)
Top Overlay:
  text "Arreglar parte arriba izquierda" at -990,1760 h30
  text "Poner pads de soldaduras más grandes." at -1020,1690 h30

## Text inside footprints (layer, text, board x,y; h text height)
J4: Top Overlay "+" at 580,1725 h30; Top Overlay "-" at 580,1625 h30; Bottom Overlay "+" at 580,1725 h30; Bottom Overlay "-" at 580,1625 h30
J5: Top Overlay "GND" at 1785.01,464.97 h30 r270; Top Overlay "3V3" at 1885.01,464.97 h30 r270; Top Overlay "SCL" at 1985,464.97 h30 r270; Top Overlay "SDA" at 2085,464.97 h30 r270
J6: Bottom Overlay "SDA" at 1914.99,15 h30 r90; Bottom Overlay "GND" at 1714.99,15 h30 r90; Bottom Overlay "SCL" at 1814.99,15 h30 r90
J7: Top Courtyard "GND" at 2705.01,5 h30 r270; Top Courtyard "VCC" at 2805.01,5 h30 r270; Top Courtyard "SIG" at 2905,5 h30 r270
LS1: Top Overlay "GND" at 809.76,711.18 h30 r270; Top Assembly "+" at 1352.01,685.59 h30 r270
U2: Top Courtyard "EN" at 230,1135 h30; Top Courtyard "MS1" at 230,1035 h30; Top Courtyard "MS2" at 230,935 h30; Top Courtyard "MS3" at 230,835 h30; Top Courtyard "RST" at 230,735 h30; Top Courtyard "SLP" at 230,635 h30; Top Courtyard "STEP" at 230,535 h30; Top Courtyard "DIR" at 230,435 h30; Top Courtyard "VMOT" at 500.04,1135 h30; Top Courtyard "GND" at 530.03,1035 h30; Top Courtyard "2B" at 560.02,935 h30; Top Courtyard "2A" at 560.02,835 h30; Top Courtyard "1A" at 565.01,735 h30; Top Courtyard "1B" at 565.01,635 h30; Top Courtyard "VDD" at 530.03,535 h30; Top Courtyard "GND" at 530.03,435 h30
U3: Top Courtyard "EN" at 3330,1135 h30; Top Courtyard "MS1" at 3330,1035 h30; Top Courtyard "MS2" at 3330,935 h30; Top Courtyard "MS3" at 3330,835 h30; Top Courtyard "RST" at 3330,735 h30; Top Courtyard "SLP" at 3330,635 h30; Top Courtyard "STEP" at 3330,535 h30; Top Courtyard "DIR" at 3330,435 h30; Top Courtyard "VMOT" at 3600.04,1135 h30; Top Courtyard "GND" at 3630.03,1035 h30; Top Courtyard "2B" at 3660.02,935 h30; Top Courtyard "2A" at 3660.02,835 h30; Top Courtyard "1A" at 3665.01,735 h30; Top Courtyard "1B" at 3665.01,635 h30; Top Courtyard "VDD" at 3630.03,535 h30; Top Courtyard "GND" at 3630.03,435 h30